# KiCad board MoBo_V2-1.kicad_pcb (continued)
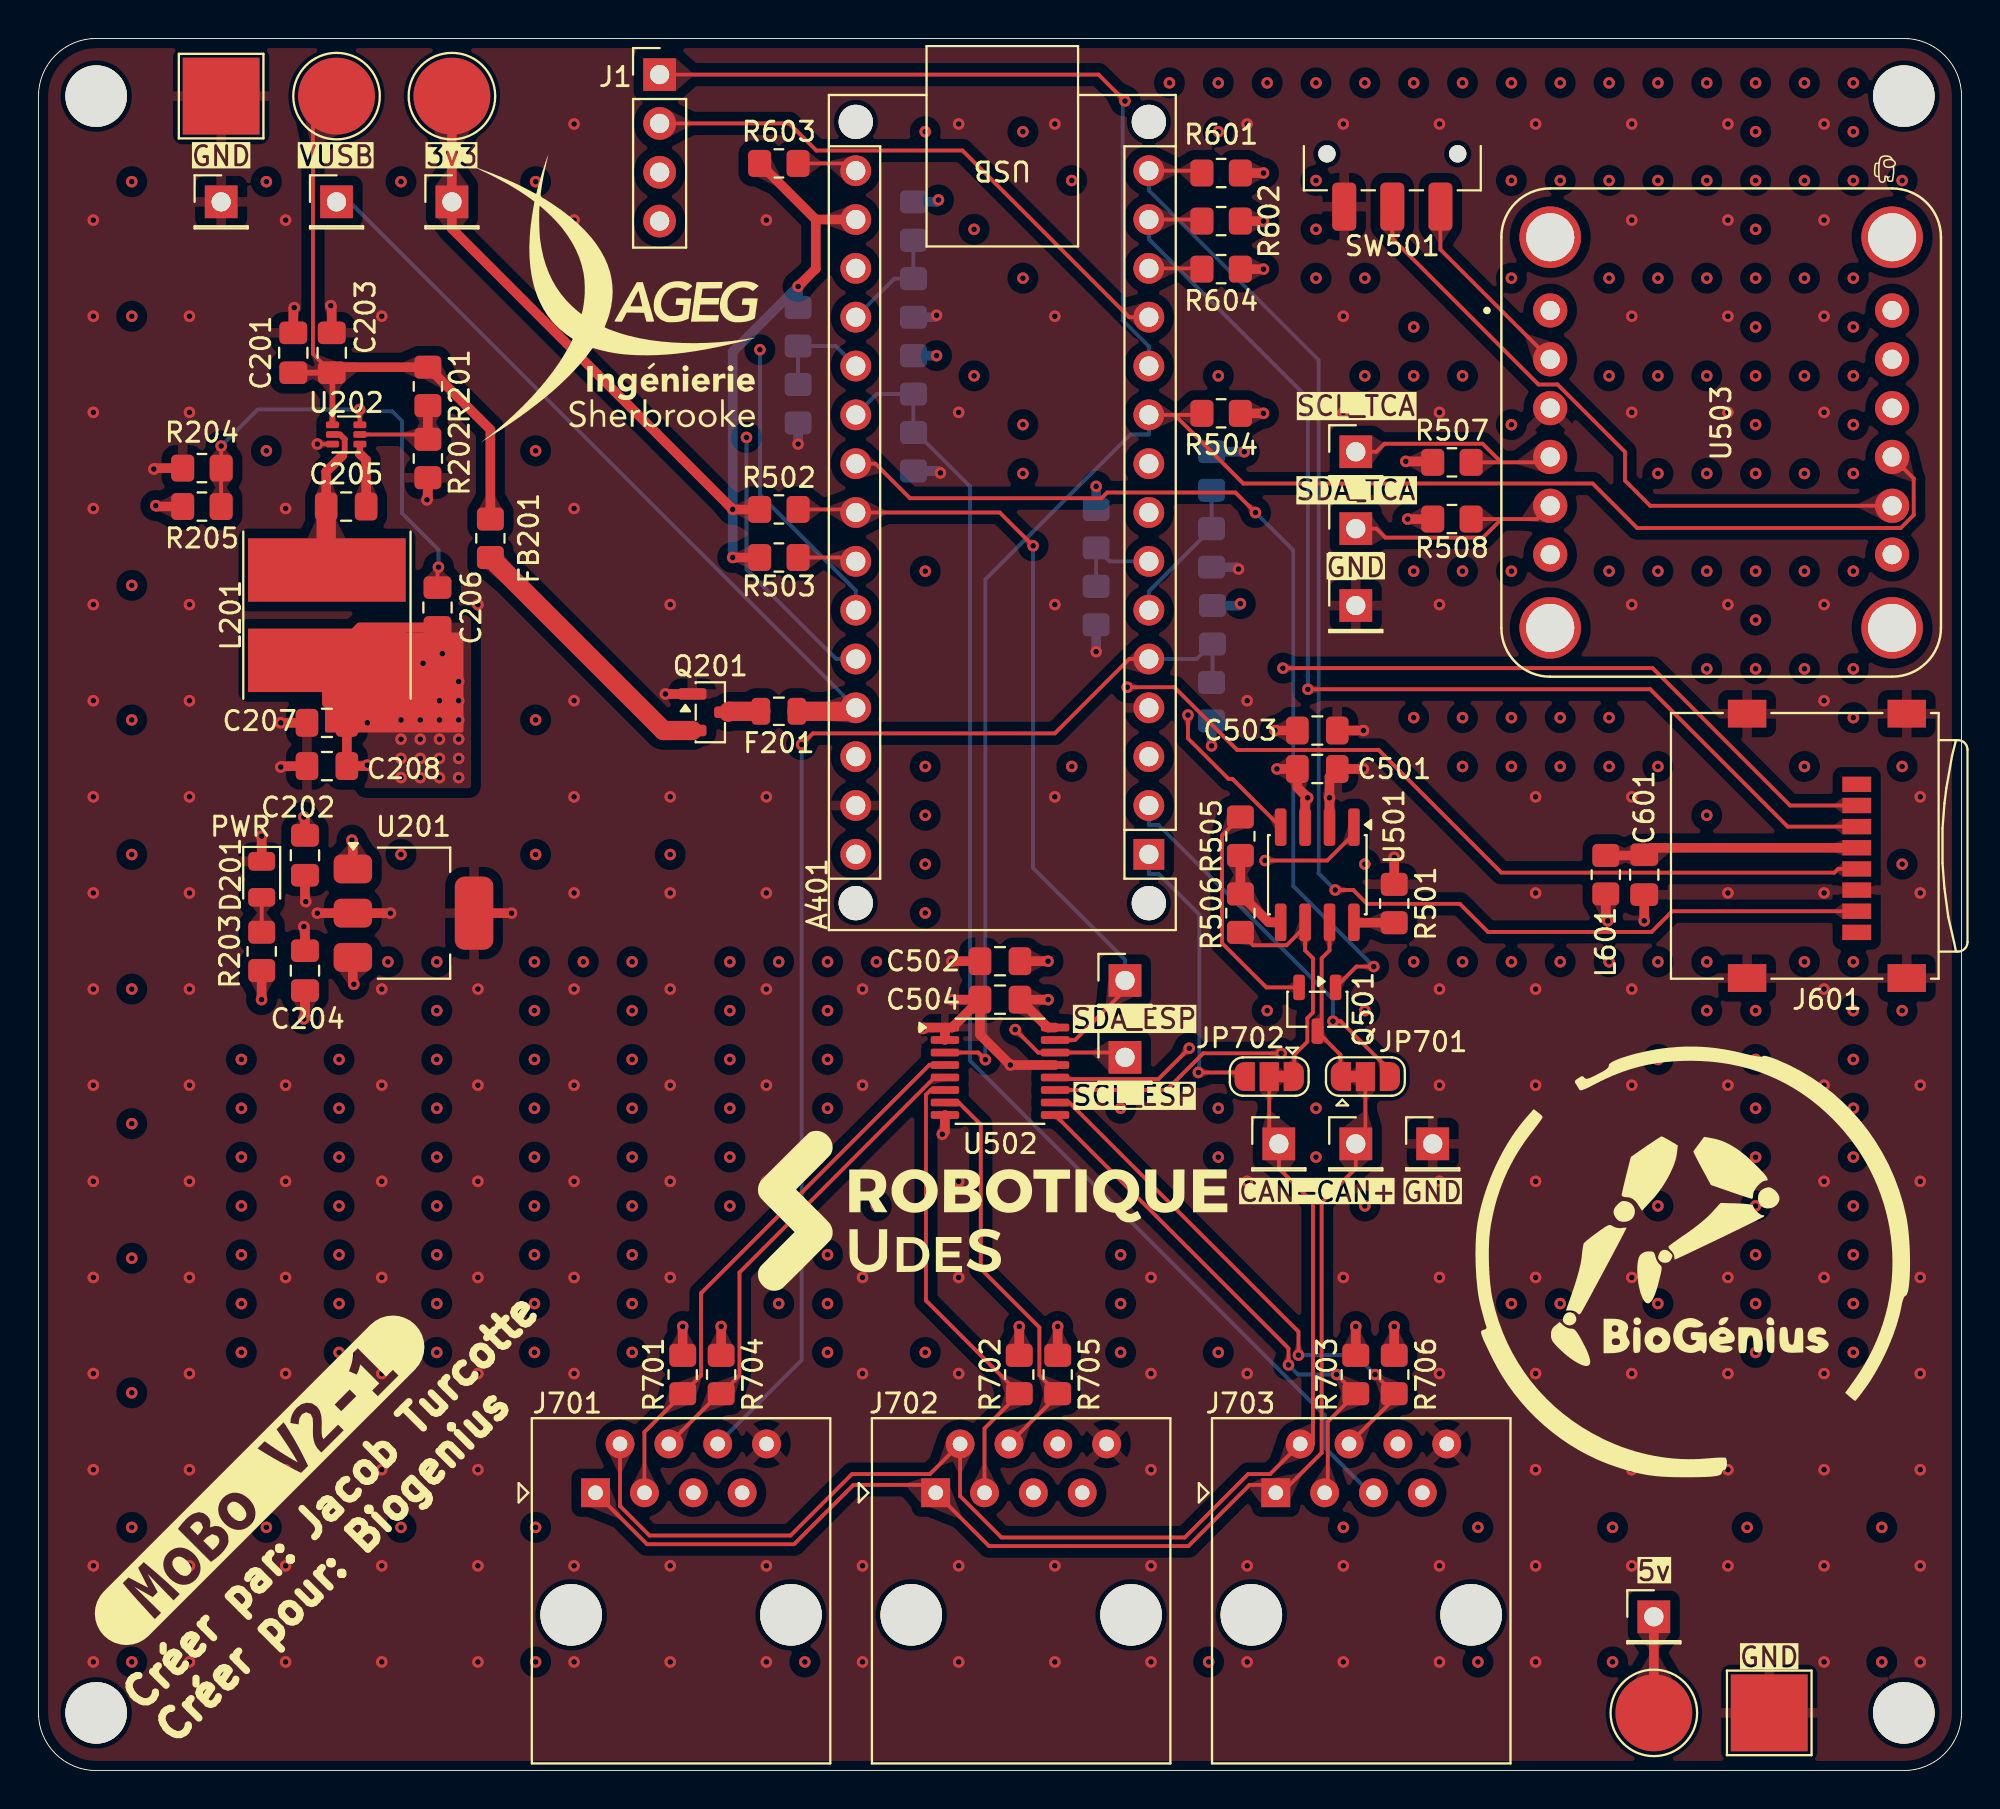
[diagram p0: board, top side]
## Library data of the parts (continued)

## Footprints (pads in the part's own frame, mm; a bottom-side part is the same pattern mirrored in y, then rotated)
Arduino_Nano_WithMountingHoles
  round 1.78 hole 1.78 unplated: (0,2.54) (0,-38.1) (15.24,2.54) (15.24,-38.1)
  rect 1.6x1.6 hole 1: 1(0,0)
  oval 1.6x1.6 hole 1: 2(0,-2.54) 3(0,-5.08) 4(0,-7.62) 5(0,-10.16) 6(0,-12.7) 7(0,-15.24) 8(0,-17.78) 9(0,-20.32) 10(0,-22.86) 11(0,-25.4) 12(0,-27.94) 13(0,-30.48) 14(0,-33.02) 15(0,-35.56) 16(15.24,-35.56) 17(15.24,-33.02) 18(15.24,-30.48) 19(15.24,-27.94) 20(15.24,-25.4) 21(15.24,-22.86) 22(15.24,-20.32) 23(15.24,-17.78) 24(15.24,-15.24) 25(15.24,-12.7) 26(15.24,-10.16) 27(15.24,-7.62) 28(15.24,-5.08) 29(15.24,-2.54) 30(15.24,0)
BNO085
  round 1.778 hole 1: JP1_1(-6.35,-8.89) JP1_2(-3.81,-8.89) JP1_3(-1.27,-8.89) JP1_4(1.27,-8.89) JP1_5(3.81,-8.89) JP1_6(6.35,-8.89) JP2_1(-6.35,8.89) JP2_2(-3.81,8.89) JP2_3(-1.27,8.89) JP2_4(1.27,8.89) JP2_5(3.81,8.89) JP2_6(6.35,8.89)
  round 3.2 hole 2.5: P1(-10.16,8.89) P2(10.16,8.89) P3(-10.16,-8.89) P4(10.16,-8.89)
C_0805_2012Metric_Pad1.18x1.45mm_HandSolder
  rrect 1.175x1.45 smd: 1(-1.038,0) 2(1.038,0)
D_0805_2012Metric
  rrect 0.975x1.4 smd: 1(-0.938,0) 2(0.938,0)
Fuse_0805_2012Metric
  rrect 0.975x1.4 smd: 1(-0.938,0) 2(0.938,0)
L_TDK_VLP8040
  rect 3.3x8.2 smd: 1(-2.35,0) 2(2.35,0)
microSD_HC_Wuerth_693072010801
  rect 0.8x1.5 smd: 1(-3.2,1.55) 2(-2.1,1.55) 3(-1,1.55) 4(0.1,1.55) 5(1.2,1.55) 6(2.3,1.55) 7(3.4,1.55) 8(4.5,1.55)
  rect 1.45x2 smd: 9(-6.875,4.15) 9(-6.875,-4.15) 9(6.875,4.15) 9(6.875,-4.15)
MountingHole_3.2mm_M3_ISO14580
  round 3.2 hole 3.2 unplated: (0,0)
PinHeader_1x01_P2.54mm_Vertical
  rect 1.7x1.7 hole 1: 1(0,0)
PinHeader_1x04_P2.54mm_Vertical
  rect 1.7x1.7 hole 1: 1(0,0)
  round 1.7 hole 1: 2(0,-2.54) 3(0,-5.08) 4(0,-7.62)
R_0805_2012Metric_Pad1.20x1.40mm_HandSolder
  rrect 1.2x1.4 smd: 1(-1,0) 2(1,0)
RJ45_Amphenol_54602-x08_Horizontal
  round 3.2 hole 3.2 unplated: (-1.27,-6.35) (10.16,-6.35)
  rect 1.5x1.5 hole 0.76: 1(0,0)
  round 1.5 hole 0.76: 2(1.27,2.54) 3(2.54,0) 4(3.81,2.54) 5(5.08,0) 6(6.35,2.54) 7(7.62,0) 8(8.89,2.54)
SOIC-8_3.9x4.9mm_P1.27mm
  rrect 1.95x0.6 smd: 1(-2.475,1.905) 2(-2.475,0.635) 3(-2.475,-0.635) 4(-2.475,-1.905) 5(2.475,-1.905) 6(2.475,-0.635) 7(2.475,0.635) 8(2.475,1.905)
SolderJumper-3_P1.3mm_Bridged12_RoundedPad1.0x1.5mm
  custom 1.05x1.5 smd: 1(-1.3,0) 3(1.3,0)
  rect 1x1.5 smd: 2(0,0)
SOT-23
  rrect 1.475x0.6 smd: 1(-0.938,0.95) 2(-0.938,-0.95) 3(0.938,0)
SOT-23-3
  rrect 1.325x0.6 smd: 1(-1.137,0.95) 2(-1.137,-0.95) 3(1.137,0)
SOT-223-3_TabPin2
  rrect 2x1.5 smd: 1(-3.15,2.3) 2(-3.15,0) 3(-3.15,-2.3)
  rrect 2x3.8 smd: 2(3.15,0)
SOT-563
  rrect 0.675x0.35 smd: 1(-0.713,0.5) 2(-0.713,0) 3(-0.713,-0.5) 4(0.713,-0.5) 5(0.713,0) 6(0.713,0.5)
SW_SPDT_CK_JS102011SAQN
  round 0.9 hole 0.9 unplated: (-3.4,0) (3.4,0)
  rrect 1.25x2.5 smd: 1(-2.5,2.75) 2(0,2.75) 3(2.5,2.75)
TestPoint_Pad_4.0x4.0mm
  rect 4x4 smd: 1(0,0)
TestPoint_Pad_D4.0mm
  round 4 smd: 1(0,0)
TSSOP-16_4.4x5mm_P0.65mm
  rrect 1.475x0.4 smd: 1(-2.862,2.275) 2(-2.862,1.625) 3(-2.862,0.975) 4(-2.862,0.325) 5(-2.862,-0.325) 6(-2.862,-0.975) 7(-2.862,-1.625) 8(-2.862,-2.275) 9(2.862,-2.275) 10(2.862,-1.625) 11(2.862,-0.975) 12(2.862,-0.325) 13(2.862,0.325) 14(2.862,0.975) 15(2.862,1.625) 16(2.862,2.275)

## Nets
GND: A401.4 A401.29 C201.2 C202.1 C203.2 C204.1 C207.2 C208.2 C501.2 C502.2 C503.2 C504.2 C601.2 D201.1 GND.1 GND#2.1 GND#3.1 GND#4.1 J601.6 J601.9 J701.8 J702.8 J703.8 Q201.1 R202.2 R205.2 R402.2 R404.2 R406.2 R408.2 R410.2 R412.2 R501.1 SW501.3 TP201.1 U201.2 U202.3 U501.2 U502.1 U502.2 U502.8 U502.13 U503.JP1_3
Vcc_3V3: 3v3.1 A401.17 C204.2 C501.1 C502.1 C503.1 C504.1 L601.2 R203.1 R401.1 R403.1 R405.1 R407.1 R409.1 R411.1 R502.1 R503.1 R504.1 R507.1 R508.1 R601.1 R602.1 R603.1 R604.1 R701.1 R702.1 R703.1 R704.1 R705.1 R706.1 TP203.1 U201.3 U501.3 U502.16 U503.JP1_1
Vcc_5V: 5v.1 C202.2 C206.1 C207.1 C208.1 J701.7 J702.7 J703.7 L201.2 R204.1 TP204.1 U201.1
BATTERIES_ANALOGUES_A6: A401.25 J1.3
BATTERIES_ANALOGUES_A7: A401.26 J1.4
CAN+: CAN+.1 J701.1 J702.1 J703.1 JP701.1 JP701.2 Q501.3 U501.7
CAN-: CAN-.1 J701.2 J702.2 J703.2 JP702.1 JP702.2 R506.2 U501.6
CAN_120OHM_SW: A401.22 Q501.1
CS_1: A401.13 J601.2 R604.2
ESP32_RX: A401.2 JP701.3
ESP32_TX: A401.1 JP702.3
EXTRA_DOS_A0: A401.19 J701.5 R407.2 R408.1
EXTRA_DOS_D2: A401.5 J701.6 R401.2 R402.1
EXTRA_JAMBE_DR_A1: A401.20 J702.5 R409.2 R410.1
EXTRA_JAMBE_DR_D3: A401.6 J702.6 R403.2 R404.1
EXTRA_JAMBE_GA_A2: A401.21 J703.5 R411.2 R412.1
EXTRA_JAMBE_GA_D4: A401.7 J703.6 R405.2 R406.1
FREE_EXTRA_D8: A401.11 J1.1
FREE_EXTRA_D9: A401.12 J1.2
I2C_ESP32_SCL: A401.24 R503.2 SCL_ESP.1 U502.14
I2C_ESP32_SDA: A401.23 R502.2 SDA_ESP.1 U502.15
I2C_SCL_0_TCA: J701.4 R704.2 U502.5
I2C_SCL_1_TCA: J702.4 R705.2 U502.7
I2C_SCL_2_TCA: J703.4 R706.2 U502.10
I2C_SCL_3_TCA: R507.2 SCL_TCA.1 U502.12 U503.JP1_4
I2C_SDA_0_TCA: J701.3 R701.2 U502.4
I2C_SDA_1_TCA: J702.3 R702.2 U502.6
I2C_SDA_2_TCA: J703.3 R703.2 U502.9
I2C_SDA_3_TCA: R508.2 SDA_TCA.1 U502.11 U503.JP1_5
RESET_OTHERS: A401.10 R504.2 U502.3 U503.JP2_4
SPI_CLK_ESP32: A401.16 J601.5 R603.2
SPI_MISO_ESP32: A401.15 J601.7 R601.2
SPI_MOSI_ESP32: A401.14 J601.3 R602.2
TWAI_CAN_RX: A401.8 U501.4
TWAI_CAN_TX: A401.9 U501.1
Vref_CAN: R505.2 R506.1 U501.5
VUSB: A401.27 F201.1 VUSB.1
VUSB_PROTECTION: C201.1 C203.1 FB201.2 R201.1 TP202.1 U202.1
Net-(D201-A): D201.2 R203.2
Net-(J601-VDD): C601.1 J601.4 L601.1
Net-(Q201-D): F201.2 Q201.3
Net-(Q201-S): FB201.1 Q201.2
Net-(Q501-E): Q501.2 R505.1
Net-(SW501-A): SW501.1 U503.JP1_2
Net-(SW501-B): SW501.2 U503.JP2_5
Net-(U202-EN): R201.2 R202.1 U202.5
Net-(U202-SW): C205.1 L201.1 U202.2
Net-(U202-VBST): C205.2 U202.4
Net-(U202-VFB): C206.2 R204.2 R205.1 U202.6
Net-(U501-Rs): R501.2 U501.8

Pads without a net: A401 3 18 28 30; J601 1 8; U503 JP1_6 JP2_1 JP2_2 JP2_3 JP2_6 P1 P2 P3 P4

## Via types
v1: diameter 0.6, hole 0.3, Top to Bottom, 548 vias

## Routing (per net, layer and track width the routed paths; a pad name or vN(x,y) marks a point on that pad's centre or on a via; arc(x,y) is an arc through that point)
GND: length 51.3
  Top w0.2: U202.3 v1(14.5,69)
  Top w0.5: U201.2 v1(24.6,44.6) ; C504.2 v1(47.5,40.1) ; C504.2 48.96,38.27 v1(50.54,36.7) U502.13 ; C504.2 47.51,38.65 U502.1 ; C601.2 v1(83.5,44.2) ; U502.1 46.05,38.65 v1(46,38.6) ; U502.1 U502.2 ; v1(11.6,48.6) 11.61,48.59 D201.1 ; R205.2 6.05,67.75 v1(6,67.7) ; U501.2 v1(67.13,50.6) 67.13,51.7 C501.2 v1(68.9,52.1) ; C208.2 12.65,52.25 v1(12.6,52.2) ; C207.2 v1(12.6,54.5) ; C203.2 15.25,76.15 v1(15.2,76.2) ; R202.2 20.25,66.15 v1(20.2,66.1) ; C204.1 13.86,43.84 v1(13.8,43.9) ; v1(13.3,76.1) 13.25,76.05 C201.2 ; v1(18.3,44.6) U201.2 v1(14.5,44.6) ; Q201.1 v1(32.6,56) ; C202.1 13.86,45.24 v1(13.9,45.2) ; U502.8 47.14,33.24 v1(47,33.1) ; C503.2 v1(68.9,54.1) ; C502.2 v1(47.5,42.1) ; R501.1 v1(70.5,47.5)
  Bottom w0.5: R406.2 v1(55,58.2) ; R404.2 62.3,62.6 v1(62.4,62.5) ; v1(46.7,75.7) 46.6,75.6 R408.2 ; R402.2 v1(61,53.3) ; R412.2 46.8,67.6 v1(46.9,67.5) ; R410.2 v1(39.5,69)
  vias: v1(2.85,80.65) v1(2.85,75.65) v1(2.85,70.65) v1(2.85,65.65) v1(2.85,60.65) v1(2.85,55.65) v1(2.85,50.65) v1(2.85,45.65) v1(2.85,40.65) v1(2.85,35.65) v1(2.85,30.65) v1(2.85,25.65) v1(2.85,20.65) v1(2.85,15.65) v1(2.85,10.65) v1(2.85,5.65) v1(7.85,75.65) v1(7.85,70.65) v1(7.85,60.65) v1(7.85,55.65) v1(7.85,50.65) v1(7.85,45.65) v1(7.85,40.65) v1(7.85,35.65) v1(7.85,30.65) v1(7.85,25.65) v1(7.85,20.65) v1(7.85,15.65) v1(7.85,10.65) v1(7.85,5.65) v1(12.85,80.65) v1(12.85,65.65) v1(12.85,35.65) v1(12.85,30.65) v1(12.85,25.65) v1(12.85,20.65) v1(12.85,15.65) v1(12.85,10.65) v1(12.85,5.65) v1(17.85,75.65) v1(17.85,40.65) v1(17.85,35.65) v1(17.85,30.65) v1(17.85,25.65) v1(17.85,20.65) v1(17.85,15.65) v1(17.85,10.65) v1(17.85,5.65) v1(22.85,60.65) v1(22.85,40.65) v1(22.85,35.65) v1(22.85,30.65) v1(22.85,25.65) v1(22.85,20.65) v1(22.85,15.65) v1(22.85,10.65) v1(22.85,5.65) v1(27.85,85.65) v1(27.85,80.65) v1(27.85,65.65) v1(27.85,55.65) v1(27.85,50.65) v1(27.85,45.65) v1(27.85,40.65) v1(27.85,35.65) v1(27.85,30.65) v1(27.85,25.65) v1(27.85,20.65) v1(27.85,10.65) v1(27.85,5.65) v1(32.85,60.65) v1(32.85,50.65) v1(32.85,45.65) v1(32.85,40.65) v1(32.85,35.65) v1(32.85,30.65) v1(32.85,25.65) v1(32.85,10.65) v1(32.85,5.65) v1(37.85,80.65) v1(37.85,50.65) v1(37.85,45.65) v1(37.85,40.65) v1(37.85,35.65) v1(37.85,30.65) v1(37.85,10.65) v1(37.85,5.65) v1(42.85,40.65) v1(42.85,35.65) v1(42.85,25.65) v1(42.85,20.65) v1(42.85,10.65) v1(42.85,5.65) v1(47.85,85.65) v1(47.85,70.65) v1(47.85,30.65) v1(47.85,25.65) v1(47.85,20.65) v1(47.85,10.65) v1(47.85,5.65) v1(52.85,85.65) v1(52.85,75.65) v1(52.85,60.65) v1(52.85,50.65) v1(52.85,10.65) v1(52.85,5.65) v1(57.85,25.65) v1(57.85,20.65) v1(57.85,15.65) v1(57.85,10.65) v1(57.85,5.65) v1(62.85,85.65) v1(62.85,55.65) v1(62.85,30.65) v1(62.85,20.65) v1(62.85,10.65) v1(62.85,5.65) v1(67.85,85.65) v1(67.85,75.65) v1(67.85,70.65) v1(67.85,25.65) v1(67.85,10.65) v1(67.85,5.65) v1(72.85,85.65) v1(72.85,70.65) v1(72.85,60.65) v1(72.85,40.65) v1(72.85,35.65) v1(72.85,30.65) v1(72.85,25.65) v1(72.85,20.65) v1(72.85,10.65) v1(72.85,5.65) v1(77.85,85.65) v1(77.85,50.65) v1(77.85,45.65) v1(77.85,40.65) v1(77.85,35.65) v1(77.85,30.65) v1(77.85,25.65) v1(77.85,20.65) v1(77.85,15.65) v1(77.85,10.65) v1(77.85,5.65) v1(82.85,85.65) v1(82.85,80.65) v1(82.85,75.65) v1(82.85,70.65) v1(82.85,60.65) v1(82.85,50.65) v1(82.85,40.65) v1(82.85,35.65) v1(82.85,30.65) v1(82.85,25.65) v1(82.85,20.65) v1(82.85,15.65) v1(82.85,10.65) v1(87.85,85.65) v1(87.85,80.65) v1(87.85,75.65) v1(87.85,70.65) v1(87.85,60.65) v1(87.85,45.65) v1(87.85,35.65) v1(87.85,30.65) v1(87.85,25.65) v1(87.85,20.65) v1(87.85,15.65) v1(87.85,10.65) v1(92.85,85.65) v1(92.85,80.65) v1(92.85,75.65) v1(92.85,70.65) v1(92.85,60.65) v1(92.85,55.65) v1(92.85,45.65) v1(92.85,40.65) v1(92.85,35.65) v1(92.85,30.65) v1(92.85,25.65) v1(92.85,20.65) v1(92.85,15.65) v1(92.85,10.65) v1(92.85,5.65) v1(97.85,50.65) v1(97.85,45.65) v1(97.85,35.65) v1(97.85,30.65) v1(97.85,25.65) v1(97.85,20.65) v1(97.85,15.65) v1(97.85,10.65) v1(97.85,5.65)
Vcc_3V3: length 98.8
  Top w0.5: 13.86,39.86 13.86,39.16 v1(13.8,39.1) ; 13.86,39.86 13.86,39.87 C204.2 13.86,39.86 ; v1(64.4,52.1) C501.1 65.46,51.14 v1(66,50.6) 65.87,50.46 U501.3 ; 51.44,39.7 C504.1 ; 51.44,39.7 52.49,38.65 U502.16 ; 51.44,39.7 C504.1 ; C504.1 v1(52.5,40.1) ; R701.1 v1(33.5,23.1) ; R602.1 v1(63.7,80.6) ; v1(11.6,40.1) 11.61,40.11 11.61,41.27 ; R508.1 v1(71.2,65.1) ; v1(71.1,68.1) 72.45,68.1 R507.1 ; TP203.1 3v3.1 21.5,80.2 v1(36.1,65.6) R502.1 ; 11.61,41.27 R203.1 11.61,41.27 ; C503.1 v1(64.3,54.1) ; R704.1 v1(35.5,23.1) ; 40.42,80.68 R603.1 ; 40.42,80.68 40.42,78.12 v1(39.5,77.2) ; 40.42,80.68 A401.17 ; R702.1 v1(51,23.1) ; v1(81.6,44.2) 81.5,44.3 L601.2 ; R601.1 v1(63.7,83.1) ; R604.1 v1(63.7,78.1) ; C502.1 v1(52.5,42.1) ; v1(16.4,40.9) 16.35,40.95 U201.3 ; R703.1 v1(68.5,23.1) ; R706.1 v1(70.5,23.1) ; R705.1 v1(53,23.1) ; R503.1 v1(36.1,63.1) ; R504.1 v1(63.7,70.6)
  Bottom w0.5: R411.1 v1(46.7,73.6) ; v1(46.8,81.7) 46.7,81.6 R407.1 ; R405.1 v1(55,66.8) ; R401.1 62.4,60.6 v1(62.5,60.7) ; R403.1 v1(62.7,68.6) ; R409.1 v1(39.5,77.2) 36.1,73.8 v1(36.1,65.6) v1(36.1,63.1)
  vias: v1(10.55,36.99) v1(10.55,34.45) v1(10.55,31.91) v1(10.55,29.37) v1(10.55,26.83) v1(10.55,24.29) v1(10.55,21.75) v1(15.63,36.99) v1(15.63,34.45) v1(15.63,31.91) v1(15.63,29.37) v1(15.63,26.83) v1(15.63,24.29) v1(15.63,21.75) v1(18.17,42.07) v1(20.71,42.07) v1(20.71,39.53) v1(20.71,36.99) v1(20.71,34.45) v1(20.71,31.91) v1(20.71,29.37) v1(20.71,26.83) v1(20.71,24.29) v1(20.71,21.75) v1(25.79,42.07) v1(25.79,39.53) v1(25.79,36.99) v1(25.79,34.45) v1(25.79,31.91) v1(25.79,29.37) v1(25.79,26.83) v1(25.79,24.29) v1(25.79,21.75) v1(28.33,42.07) v1(30.87,42.07) v1(30.87,39.53) v1(30.87,36.99) v1(30.87,34.45) v1(30.87,31.91) v1(30.87,29.37) v1(30.87,26.83) v1(30.87,24.29) v1(30.87,21.75) v1(35.95,42.07) v1(35.95,39.53) v1(35.95,36.99) v1(35.95,34.45) v1(35.95,31.91) v1(35.95,29.37) v1(38.49,42.07) v1(38.49,24.29) v1(41.03,42.07) v1(41.03,39.53) v1(41.03,36.99) v1(41.03,34.45) v1(41.03,26.83) v1(41.03,24.29) v1(41.03,21.75) v1(43.57,42.07) v1(43.57,29.37) v1(46.11,85.25) v1(46.11,62.39) v1(46.11,52.23) v1(46.11,49.69) v1(46.11,47.15) v1(46.11,44.61) v1(46.11,21.75) v1(48.65,80.17) v1(48.65,72.55) v1(51.19,85.25) v1(51.19,77.63) v1(51.19,70.01) v1(51.19,67.47) v1(53.73,82.71) v1(53.73,52.23) v1(56.27,34.45) v1(56.27,26.83) v1(56.27,24.29) v1(56.27,21.75) v1(58.81,87.79) v1(61.35,87.79) v1(61.35,85.25) v1(61.35,72.55) v1(61.35,34.45) v1(61.35,31.91) v1(61.35,21.75) v1(63.89,87.79) v1(63.89,39.53) v1(66.43,87.79) v1(66.43,82.71) v1(66.43,80.17) v1(66.43,77.63) v1(66.43,34.45) v1(66.43,31.91) v1(68.97,87.79) v1(68.97,77.63) v1(68.97,72.55) v1(68.97,47.15) v1(68.97,39.53) v1(68.97,29.37) v1(71.51,87.79) v1(71.51,75.09) v1(71.51,72.55) v1(71.51,62.39) v1(71.51,54.77) v1(71.51,42.07) v1(74.05,87.79) v1(74.05,72.55) v1(74.05,62.39) v1(74.05,54.77) v1(74.05,52.23) v1(74.05,42.07) v1(76.59,87.79) v1(76.59,82.71) v1(76.59,77.63) v1(76.59,70.01) v1(76.59,62.39) v1(76.59,54.77) v1(76.59,52.23) v1(76.59,42.07) v1(76.59,24.29) v1(79.13,87.79) v1(79.13,82.71) v1(79.13,54.77) v1(79.13,52.23) v1(79.13,42.07) v1(79.13,24.29) v1(81.67,87.79) v1(81.67,82.71) v1(81.67,77.63) v1(81.67,72.55) v1(81.67,62.39) v1(81.67,54.77) v1(81.67,52.23) v1(81.67,42.07) v1(84.21,87.79) v1(84.21,82.71) v1(84.21,77.63) v1(84.21,72.55) v1(84.21,67.47) v1(84.21,62.39) v1(84.21,52.23) v1(84.21,42.07) v1(84.21,36.99) v1(84.21,31.91) v1(84.21,29.37) v1(84.21,24.29) v1(86.75,87.79) v1(86.75,82.71) v1(86.75,77.63) v1(86.75,72.55) v1(86.75,67.47) v1(86.75,62.39) v1(86.75,57.31) v1(86.75,49.69) v1(86.75,42.07) v1(86.75,39.53) v1(89.29,87.79) v1(89.29,85.25) v1(89.29,82.71) v1(89.29,80.17) v1(89.29,77.63) v1(89.29,75.09) v1(89.29,72.55) v1(89.29,70.01) v1(89.29,67.47) v1(89.29,62.39) v1(89.29,59.85) v1(89.29,57.31) v1(89.29,39.53) v1(89.29,36.99) v1(89.29,34.45) v1(89.29,31.91) v1(89.29,29.37) v1(89.29,26.83) v1(89.29,24.29) v1(89.29,21.75) v1(91.83,87.79) v1(91.83,82.71) v1(91.83,77.63) v1(91.83,72.55) v1(91.83,67.47) v1(91.83,62.39) v1(91.83,57.31) v1(91.83,52.23) v1(91.83,42.07) v1(94.37,87.79) v1(94.37,85.25) v1(94.37,82.71) v1(94.37,77.63) v1(94.37,75.09) v1(94.37,72.55) v1(94.37,70.01) v1(94.37,67.47) v1(94.37,62.39) v1(94.37,57.31) v1(94.37,54.77) v1(94.37,42.07) v1(94.37,39.53) v1(94.37,36.99) v1(94.37,34.45) v1(94.37,31.91) v1(94.37,29.37) v1(94.37,26.83) v1(94.37,24.29) v1(94.37,21.75) v1(96.91,82.71) v1(96.91,52.23) v1(96.91,47.15) v1(96.91,39.53)
Vcc_5V: length 48.4
  Top w0.5: L201.2 15,55.54 C207.1 ; L201.2 19.85,57.75 v1(20,57.6) ; L201.2 18.75,57.75 v1(20.85,55.65) ; L201.2 16.75,57.75 v1(19.85,54.65) ; L201.2 15.75,57.75 v1(18.85,54.65) ; L201.2 16.71,59.46 C206.1 20.75,58.35 v1(21,58.1) ; TP204.1 5v.1 ; v1(6.1,65.8) 6.15,65.75 R204.1 ; 13.86,49.09 13.86,49.09 C202.2 13.86,49.09 ; 13.86,49.09 13.86,49.54 v1(13.8,49.6) ; U201.1 16.35,48.35 v1(16.3,48.4) ; C207.1 C208.1 17.05,52.25 v1(17.1,52.3) ; C207.1 v1(17.1,54.5)
  vias: v1(4.85,82.65) v1(4.85,75.65) v1(4.85,61.65) v1(4.85,54.65) v1(4.85,47.65) v1(4.85,40.65) v1(4.85,33.65) v1(4.85,26.65) v1(4.85,19.65) v1(4.85,12.65) v1(4.85,5.65) v1(11.85,82.65) v1(11.85,68.65) v1(11.85,12.65) v1(18.85,82.65) v1(18.85,53.65) v1(18.85,52.65) v1(18.85,51.65) v1(18.85,47.65) v1(18.85,12.65) v1(19.85,53.65) v1(19.85,52.65) v1(19.85,51.65) v1(20.85,54.65) v1(20.85,53.65) v1(20.85,52.65) v1(20.85,51.65) v1(21.85,56.65) v1(21.85,55.65) v1(21.85,54.65) v1(21.85,53.65) v1(21.85,52.65) v1(21.85,51.65) v1(25.85,82.65) v1(25.85,68.65) v1(25.85,54.65) v1(25.85,47.65) v1(25.85,12.65) v1(25.85,5.65) v1(32.85,47.65) v1(39.85,5.65) v1(60.85,5.65) v1(67.85,12.65) v1(74.85,12.65) v1(74.85,5.65) v1(81.85,12.65) v1(81.85,5.65) v1(88.85,12.65) v1(95.85,12.65) v1(95.85,5.65)
BATTERIES_ANALOGUES_A6: length 27
  In1.Cu w0.2: v1(37.51,73.91) 37.51,77.93 J1.3
  Bottom w0.2: A401.25 42.5,61.38 37.51,66.37 v1(37.51,73.91)
BATTERIES_ANALOGUES_A7: length 27.6
  In1.Cu w0.2: J1.4 32.3,73.86 v1(36.82,69.35)
  Bottom w0.2: v1(36.82,69.35) 36.82,62.48 41.48,57.82 A401.26
CAN+: length 74.5
  Top w0.2: 66.72,38.63 66.55,38.46 Q501.3 ; 66.72,38.63 66.72,38.21 67.7,37.23 JP701.1 JP701.2 69,33.1 CAN+.1 68.5,31.32 66.72,29.55 66.72,16.52 64.65,14.45 J703.1 63.93,14.86 62.98,14.86 59.79,11.67 49.43,11.67 J702.1 46.25,14.86 42.38,14.86 39.29,11.77 31.65,11.77 J701.1 ; 66.72,38.63 66.72,42.25 67.13,42.66 U501.7
CAN-: length 81.7
  Top w0.2: R506.2 63.17,42.93 64.9,42.93 65.87,43.89 U501.6 65.87,42.66 66.28,42.25 66.28,39.43 65.98,39.13 65.98,37.91 65.3,37.23 JP702.1 JP702.2 64,33.1 CAN-.1 64.5,31.32 66.28,29.55 66.28,17.02 66.24,16.99 J703.2 64.04,15.42 62.9,15.42 59.61,12.12 50.07,12.12 47.93,14.27 J702.2 46.36,15.42 42.3,15.42 39.11,12.22 31.78,12.22 30.24,13.76 J701.2
CAN_120OHM_SW: length 50.7
  Top w0.2: Q501.1 68.53,41.82 v1(69.44,41.82) ; v1(63.28,65.44) 62.24,66.48 55.57,66.48 55.27,66.18 45.32,66.18 43.52,67.98 A401.22
  Bottom w0.2: v1(69.44,41.82) 65.25,46.01 65.25,63.47 v1(63.28,65.44)
CS_1: length 59.3
  Top w0.2: R604.2 60.46,78.14 A401.13 ; J601.2 91.08,50.2 83.94,57.34 v1(64.71,57.34)
  In1.Cu w0.2: A401.13 57.74,77.12 58.76,76.1 58.76,67.04 64.71,61.09 v1(64.71,57.34)
ESP32_RX: length 19.8
  Top w0.2: v1(67.31,38.98) 67.71,38.98 70.3,36.39 JP701.3
  Bottom w0.2: A401.2 57.74,49.18 58.25,49.18 67.31,40.11 v1(67.31,38.98)
ESP32_TX: length 15.2
  Top w0.2: JP702.3 62.49,36.31 v1(60.32,36.31)
  Bottom w0.2: A401.1 57.74,46.64 58.25,46.64 60.36,44.53 60.36,36.36 v1(60.32,36.31)
EXTRA_DOS_A0: length 70.5
  In1.Cu w0.2: A401.19 42.5,74.58 37.34,69.42 37.34,69.13 34.11,65.9 34.11,14.51 J701.5
  Bottom w0.2: A401.19 44.5,77.6 R408.1 R407.2
EXTRA_DOS_D2: length 63.7
  Top w0.2: A401.5 56.72,57.82 52.85,53.95 40.27,53.95 v1(39.69,53.37)
  Bottom w0.2: J701.6 39.69,21.36 v1(39.69,53.37) ; A401.5 60.22,57.82 61,58.6 R401.2 61.05,56.65 R402.1
EXTRA_JAMBE_DR_A1: length 69.2
  In1.Cu w0.2: J702.5 51.74,62.98 52.25,63.49 52.25,63.92 44.13,72.04 42.5,72.04 A401.20
  Bottom w0.2: R410.1 R409.2 41.46,74.1 A401.20
EXTRA_JAMBE_DR_D3: length 54.1
  In1.Cu w0.2: J702.6 53.6,17.59 53.6,47.55 57.52,51.47 57.96,51.47 58.84,52.35 58.84,58.24 57.74,59.34 A401.6
  Bottom w0.2: R403.2 R404.1 57.74,61.34 A401.6
EXTRA_JAMBE_GA_A2: length 70.7
  Bottom w0.2: A401.21 43.58,71.6 R411.2 R412.1 45.64,69.6 48.44,66.8 48.44,36.92 66.88,18.48 66.88,16.8 69.23,14.45 J703.5
EXTRA_JAMBE_GA_D4: length 56.3
  In1.Cu w0.2: J703.6 70.69,18.51 59.25,29.95 59.25,60.37 57.74,61.88 A401.7
  Bottom w0.2: A401.7 55.7,62.9 R405.2 R406.1
FREE_EXTRA_D8: length 39.2
  Top w0.2: J1.1 55.12,88.22 v1(56.5,86.84)
  Bottom w0.2: v1(56.5,86.84) 56.38,86.72 56.38,75.44 57.74,74.08 A401.11
FREE_EXTRA_D9: length 29.6
  Top w0.2: A401.12 56.72,75.6 48.05,84.27 40.45,84.27 39.04,85.68 J1.2
I2C_ESP32_SCL: length 37.2
  Top w0.2: v1(50.79,38.54) 51.98,37.35 U502.14 56.25,37.35 SCL_ESP.1 ; R503.2 42.3,63.1 A401.24
  In1.Cu w0.2: v1(50.79,38.54) 50.79,53.59 42.5,61.88 A401.24
I2C_ESP32_SDA: length 42.8
  Top w0.2: U502.15 53.9,38 56.5,40.6 SDA_ESP.1 ; R502.2 42.34,65.6 A401.23 49.99,65.44 v1(51.72,63.71)
  Bottom w0.2: SDA_ESP.1 56.5,42.17 51.72,46.95 v1(51.72,63.71)
I2C_SCL_0_TCA: length 25.4
  Top w0.2: J701.4 35.39,19.6 R704.2 36.45,20.55 36.45,25.91 46.59,36.05 U502.5
I2C_SCL_1_TCA: length 21.7
  Top w0.2: J702.4 53,19.52 R705.2 52.05,20.55 52.05,23.05 49,26.1 49,33.6 47.85,34.75 U502.7
I2C_SCL_2_TCA: length 28.2
  Top w0.2: J703.4 70.5,19.34 R706.2 v1(69.5,20.6) ; v1(65.52,21.61) 65.52,22.83 53.6,34.75 U502.10
  Bottom w0.2: v1(65.52,21.61) 68.49,21.61 v1(69.5,20.6)
I2C_SCL_3_TCA: length 54.7
  Top w0.2: U502.12 52.94,35.97 58.23,35.97 v1(59.84,37.57) ; U503.JP1_4 78.33,68.05 76.07,68.05 ; SCL_TCA.1 69.57,68.6 69.99,69.02 75.1,69.02 76.07,68.05 ; R507.2 76.07,68.05
  In1.Cu w0.2: SCL_TCA.1 68.5,67.53 65.45,64.48 65.45,51.55 64.79,50.89 64.79,42.52 v1(59.84,37.57)
I2C_SDA_0_TCA: length 29.2
  Top w0.2: J701.3 31.51,17.61 R701.2 34.45,20.55 34.45,24.83 46.32,36.7 U502.4
I2C_SDA_1_TCA: length 24.6
  Top w0.2: U502.6 46.4,35.4 46.15,35.15 46.15,24.45 R702.2 49.19,17.79 J702.3
I2C_SDA_2_TCA: length 28
  Top w0.2: J703.3 67.05,14.62 67.05,18.15 R703.2 v1(67.5,20.6) ; v1(65,21.1) 65,21.96 U502.9
  Bottom w0.2: v1(65,21.1) 65.5,20.6 v1(67.5,20.6)
I2C_SDA_3_TCA: length 54
  Top w0.2: U503.JP1_5 77.92,65.1 76.08,65.1 ; R508.2 76.08,65.1 ; 76.08,65.1 75.12,64.13 70.04,64.13 69.57,64.6 SDA_TCA.1 ; v1(64.62,37.31) 60.57,37.31 58.66,35.4 U502.11
  In1.Cu w0.2: v1(64.62,37.31) 66.57,39.26 66.57,61.6 68.5,63.53 SDA_TCA.1
RESET_OTHERS: length 87.3
  Top w0.2: U502.3 48.87,37.35 v1(49.24,36.98) ; 59.08,70.52 60.42,70.52 R504.2 ; 59.08,70.52 A401.10 ; 59.08,70.52 62.65,66.95 80.82,66.95 83.13,64.63 96.84,64.63 97.51,65.31 97.51,67.21 U503.JP2_4
  Bottom w0.2: A401.10 57.74,69.5 56.78,69.5 49.24,61.96 v1(49.24,36.98)
SPI_CLK_ESP32: length 77.9
  Top w0.2: v1(56.61,56.35) 59.06,56.35 62.33,53.09 69.68,53.09 76.07,46.71 93.39,46.71 93.58,46.9 J601.5 ; R603.2 42.12,83.6 A401.16
  In1.Cu w0.2: v1(56.61,56.35) 56.61,68.08 42.5,82.2 A401.16
SPI_MISO_ESP32: length 72.7
  Top w0.2: A401.15 60.38,83.22 R601.2 ; v1(67.43,45.8) 68.37,45.8 69.09,45.08 73.91,45.08 75.38,43.62 83.88,43.62 84.96,44.7 J601.7
  Bottom w0.2: v1(67.43,45.8) 66.57,46.67 66.57,73.37 57.74,82.2 A401.15
SPI_MOSI_ESP32: length 62.2
  Top w0.2: R602.2 60.42,80.68 A401.14 ; J601.3 90.96,49.1 83.81,56.25 v1(66.01,56.25)
  Bottom w0.2: v1(66.01,56.25) 66.01,71.39 57.74,79.66 A401.14
TWAI_CAN_RX: length 19.3
  Top w0.2: U501.4 62.08,51.59 61.88,51.59 59.77,53.69 v1(59.77,54.91)
  In1.Cu w0.2: A401.8 57.74,64.42 59.77,62.38 v1(59.77,54.91)
TWAI_CAN_TX: length 28.7
  Top w0.2: U501.1 68.41,48.73 67.01,47.34 v1(63.78,47.34)
  In1.Cu w0.2: v1(63.78,47.34) 60.37,50.75 60.37,64.33 57.74,66.96 A401.9
Vref_CAN: length 4.7
  Top w0.5: U501.5 63.97,44.12 R506.1 R505.2
VUSB: length 41
  Top w1: F201.1 42.32,55.1 A401.27
  Bottom w0.2: A401.27 16.18,81.6 VUSB.1
VUSB_PROTECTION: length 34.4
  Top w0.2: TP202.1 14.27,85.87 14.27,73.69 C203.1 15.29,72.67
  Top w0.3: U202.1 15.29,72.67 ; C201.1 C203.1
  Top w0.5: C203.1 15.54,73 R201.1 23.5,69.75 FB201.2
Net-(D201-A): length 1.8
  Top w0.2: D201.2 R203.2
Net-(J601-VDD): length 13.2
  Top w0.5: L601.1 83.46,47.6 C601.1 83.86,48 J601.4
Net-(Q201-D): length 1.7
  Top w1: Q201.3 35.93,55.1 F201.2
Net-(Q201-S): length 14.2
  Top w1: FB201.1 32.5,54.1 Q201.2
Net-(Q501-E): length 11.9
  Top w0.2: R505.1 61.54,48.64 61.54,43.04 63.85,40.74 Q501.2
Net-(SW501-A): length 10.3
  Top w0.2: SW501.1 72.9,79.12 U503.JP1_2
Net-(SW501-B): length 34.3
  Top w0.2: SW501.2 70.4,79.7 78,72.1 78.99,72.1 82.5,68.59 82.5,67.1 83.81,65.79 U503.JP2_5
Net-(U202-EN): length 5.4
  Top w0.2: R202.1 20,69.5 U202.5
  Top w0.5: R201.2 R202.1
Net-(U202-SW): length 8
  Top w0.3: 15.8,68.4 15.93,68.53 15.93,69.25 15.68,69.5 U202.2
  Top w0.5: C205.1 14.96,67.56 15.8,68.4
  Top w1: L201.1 14.96,62.49 C205.1
Net-(U202-VBST): length 3.6
  Top w0.2: 16.71,68.76 U202.4
  Top w0.3: U202.4 16.71,68.51 16.7,68.5
  Top w0.5: 16.7,68.5 17.04,68.16 C205.2
Net-(U202-VFB): length 23.9
  Top w0.2: U202.6 16.71,70.79 v1(16.7,70.8) ; C206.2 20.75,62.55 v1(20.8,62.6) ; R204.2 R205.1 v1(9.5,68.9)
  Bottom w0.2: v1(9.5,68.9) 11.4,70.8 v1(16.7,70.8) 16.8,70.7 18.4,70.7 18.9,70.2 18.9,65.4 20.8,63.5 v1(20.8,62.6)
Net-(U501-Rs): length 2.1
  Top w0.5: R501.2 68.43,44.1 U501.8

## Copper pours and planes (outline as drawn; the poured copper is in the pictures)
GND on Top, Bottom, In1.Cu: 0,90.1 100,90.1 100,0.1 0,0.1
Vcc_3V3 on In2.Cu: 10,44.6 42.5,44.6 42.5,90.1 100,90.1 100,19.6 10,19.6
Vcc_5V on Top: 11,60.1 22.5,60.1 22.5,51.1 15,51.1 15,55.6 11,55.6
Vcc_5V on In2.Cu: 0,90.1 42.5,90.1 42.5,44.6 10,44.6 10,19.6 100,19.6 100,0.1 0,0.1

Small or netless copper shapes (teardrops, artwork), in the pictures only: 265 on Top, 81 on Bottom, 26 on In1.Cu

## Text on the board
B.Silkscreen: GND / 5V / EXTRA / EXTRA / SCL / SDA / CAN- / CAN+ | 1
F.Silkscreen: PWR | Créer par: Jacob Turcotte / Créer pour: Biogenius
